# Altium PCB IntelligentCarFor51PcbDoc.PcbDoc (part 10 of 14)
Units mil, origin at the board's own origin, x right, y up, seen from the top; angles counter-clockwise.
Board outline 2298.05 x 2090.03 mil, 2 copper layers (Top Layer, Bottom Layer); 55 components, 66 nets, 258 pads, 143 vias.
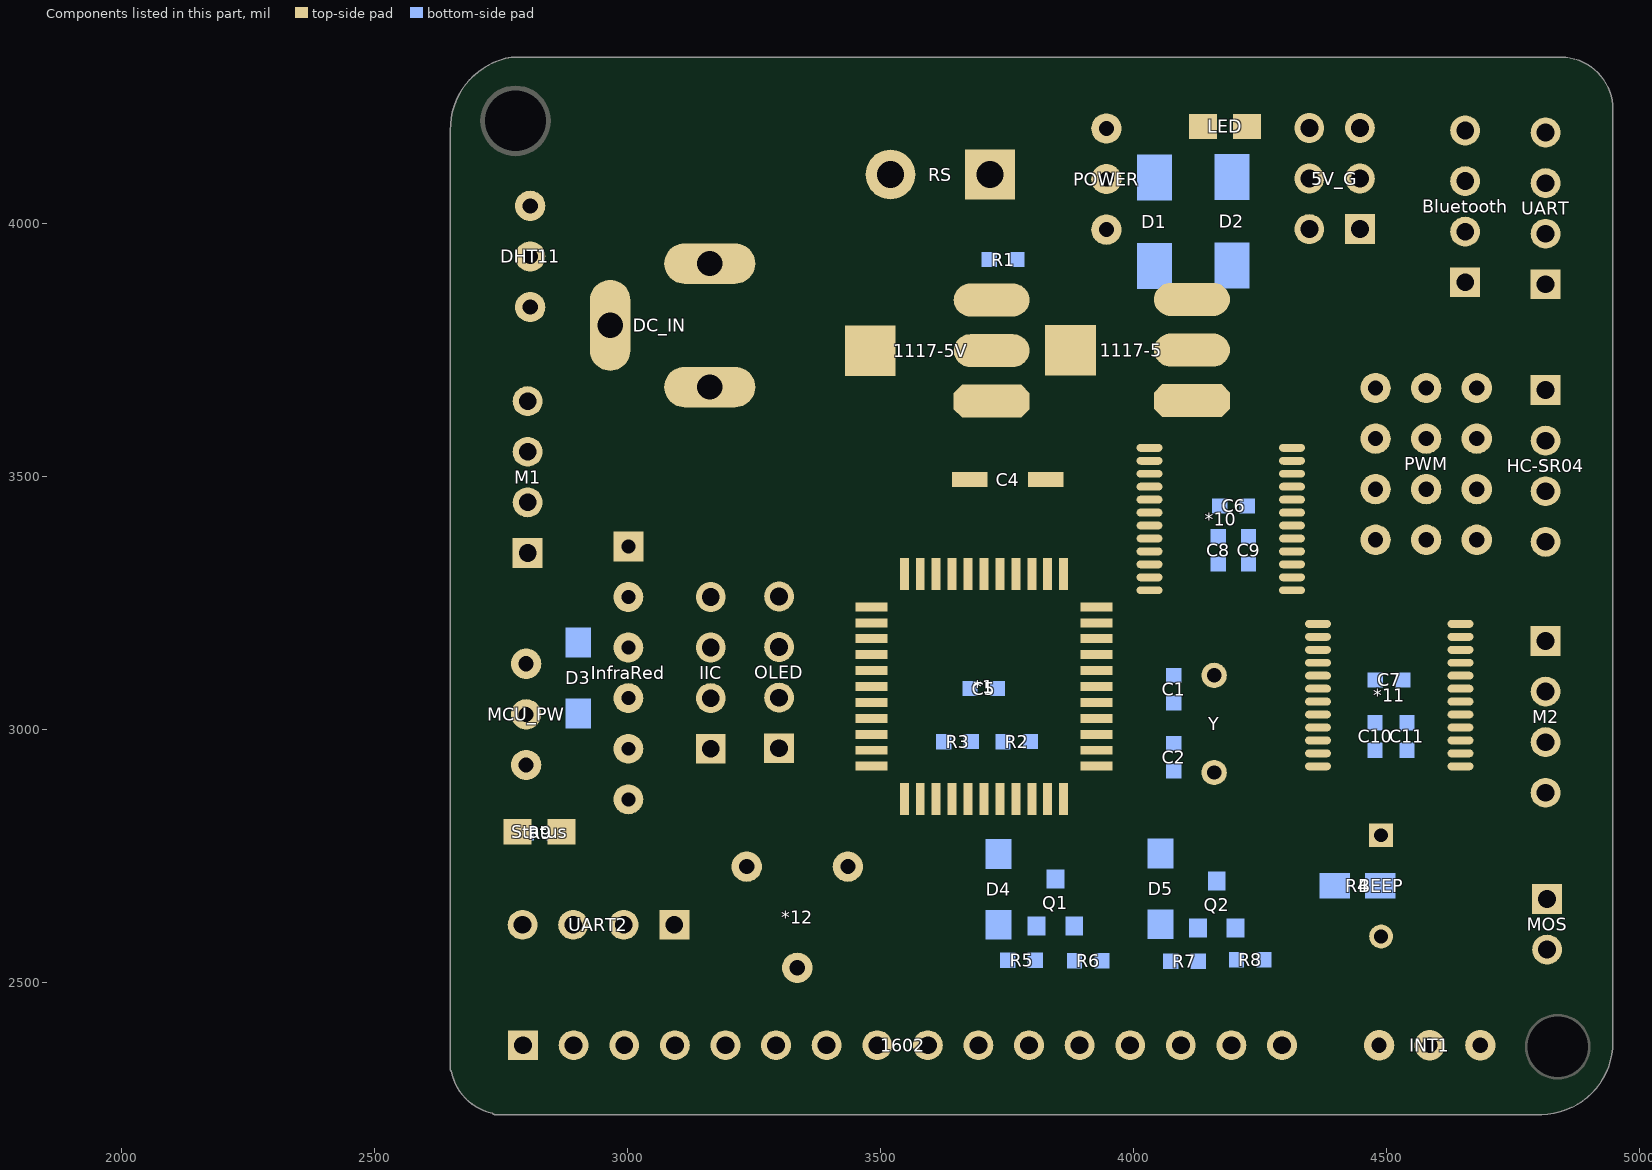
[diagram p10: the components of this part, seen from the top]

## Via types
v1: diameter 12, hole 8, Top Layer to Bottom Layer, 53 vias
v2: diameter 10, hole 7, Top Layer to Bottom Layer, 20 vias
v3: diameter 20, hole 12, Top Layer to Bottom Layer, 15 vias
v4: diameter 35, hole 25, Top Layer to Bottom Layer, 13 vias
v5: diameter 15, hole 10, Top Layer to Bottom Layer, 10 vias
v6: diameter 18, hole 12, Top Layer to Bottom Layer, 10 vias
v7: diameter 50, hole 35, Top Layer to Bottom Layer, 7 vias
v8: diameter 30, hole 20, Top Layer to Bottom Layer, 5 vias
v9: diameter 12, hole 7, Top Layer to Bottom Layer, 3 vias
v10: diameter 25, hole 18, Top Layer to Bottom Layer, 2 vias
v11: diameter 40, hole 30, Top Layer to Bottom Layer, 2 vias
v12: diameter 8, hole 7, Top Layer to Bottom Layer, 1 vias
v13: diameter 30, hole 22, Top Layer to Bottom Layer, 1 vias
v14: diameter 24, hole 18, Top Layer to Bottom Layer, 1 vias

## Nets (pads, with @x,y where several pads share a name; then routed paths per layer and width w, separated by ;. In a path a pad name is that pad's centre, name@x,y a point inside that pad or via, vN(x,y) a via of type N, cw(c..) or ccw(c..) an arc to the next point about the centre after c; other vN are vias at no path point) (continued)
copper on no net: (continued)
  Top Layer w0.35: 2291.2,3207.45 2293.65,3207.45 ; 2291.2,3207.8 2294.35,3207.8 ; 2291.2,3208.15 2295.05,3208.15 ; 2291.2,3208.5 2295.75,3208.5 ; 2291.2,3217.6 2294,3217.6 ; 2291.2,3217.95 2293.3,3217.95 ; 2291.2,3218.3 2292.25,3218.3 ; 2291.2,3230.9 2299.95,3230.9 ; 2291.2,3233.35 2293.65,3233.35 ; 2291.55,3192.05 2294,3192.05 ; 2291.55,3194.5 2301,3194.5 ; 2291.55,3206.75 2292.25,3206.75 ; 2291.55,3207.1 2292.95,3207.1 ; 2291.55,3231.25 2301,3231.25 ; 2291.55,3233.7 2294,3233.7 ; 2291.55,3241.05 2298.2,3241.05 ; 2291.55,3249.45 2333.2,3249.45 ; 2291.9,3231.6 2302.05,3231.6 ; 2291.9,3249.1 2333.55,3249.1 ; 2292.25,3191.7 2294.7,3191.7 ; 2292.25,3194.15 2302.4,3194.15 ; 2292.25,3231.95 2303.45,3231.95 ; 2292.25,3234.05 2294.7,3234.05 ; 2292.25,3241.4 2299.25,3241.4 ; 2292.25,3248.75 2333.55,3248.75 ; 2292.25,3261.35 2312.55,3261.35 ; 2292.6,3191.35 2295.05,3191.35 ; 2292.6,3193.8 2303.8,3193.8 ; 2292.6,3234.4 2295.05,3234.4 ; 2292.6,3247.35 2293.3,3247.35 ; 2292.6,3248.4 2333.9,3248.4 ; 2292.95,3191 2295.75,3191 ; 2292.95,3193.45 2306.6,3193.45 ; 2292.95,3221.45 2303.8,3221.45 ; 2292.95,3221.8 2303.8,3221.8 ; 2292.95,3222.15 2303.8,3222.15 ; 2292.95,3232.3 2306.25,3232.3 ; 2292.95,3234.75 2295.75,3234.75 ; 2292.95,3241.75 2301,3241.75 ; 2293.3,3193.1 2322,3193.1 ; 2293.3,3203.25 2303.8,3203.25 ; 2293.3,3203.6 2303.8,3203.6 ; 2293.3,3203.95 2304.15,3203.95 ; 2293.3,3221.1 2304.15,3221.1 ; 2293.3,3222.5 2303.8,3222.5 ; 2293.3,3232.65 2322,3232.65 ; 2293.3,3247.7 2322,3247.7 ; 2293.65,3190.65 2296.45,3190.65 ; 2293.65,3202.9 2303.8,3202.9 ; 2293.65,3222.85 2303.45,3222.85 ; 2293.65,3233 2321.3,3233 ; 2293.65,3235.1 2296.45,3235.1 ; 2293.65,3247.35 2334.6,3247.35 ; 2294,3192.75 2321.3,3192.75 ; 2294,3202.55 2303.8,3202.55 ; 2294,3204.3 2304.15,3204.3 ; 2294,3220.75 2304.15,3220.75 ; 2294,3223.2 2303.45,3223.2 ; 2294,3235.45 2297.15,3235.45 ; 2294,3247 2334.95,3247 ; 2294.35,3190.3 2297.15,3190.3 ; 2294.35,3192.4 2320.95,3192.4 ; 2294.35,3201.85 2303.45,3201.85 ; 2294.35,3202.2 2303.8,3202.2 ; 2294.35,3223.55 2303.45,3223.55 ; 2294.35,3223.9 2303.45,3223.9 ; 2294.35,3233.35 2320.95,3233.35 ; 2294.35,3242.45 2297.5,3242.45 ; 2294.35,3246.65 2324.45,3246.65 ; 2294.7,3201.5 2303.45,3201.5 ; 2294.7,3204.65 2304.15,3204.65 ; 2294.7,3224.25 2303.1,3224.25 ; 2294.7,3235.8 2297.85,3235.8 ; 2294.7,3246.3 2325.15,3246.3 ; 2295.05,3189.95 2297.85,3189.95 ; 2295.05,3192.05 2320.25,3192.05 ; 2295.05,3201.15 2303.45,3201.15 ; 2295.05,3220.4 2304.15,3220.4 ; 2295.05,3224.6 2303.1,3224.6 ; 2295.05,3233.7 2320.25,3233.7 ; 2295.05,3245.6 2326.55,3245.6 ; 2295.4,3189.6 2298.9,3189.6 ; 2295.4,3191.7 2319.55,3191.7 ; 2295.4,3200.8 2303.45,3200.8 ; 2295.4,3205 2304.15,3205 ; 2295.4,3224.95 2303.1,3224.95 ; 2295.4,3234.05 2319.55,3234.05 ; 2295.4,3236.15 2298.55,3236.15 ; 2295.4,3242.8 2297.5,3242.8 ; 2295.4,3245.25 2327.25,3245.25 ; 2295.75,3200.45 2303.45,3200.45 ; 2295.75,3220.05 2304.15,3220.05 ; 2295.75,3225.3 2303.1,3225.3 ; 2295.75,3244.9 2327.6,3244.9 ; 2295.75,3261 2314.3,3261 ; 2296.1,3191.35 2318.85,3191.35 ; 2296.1,3200.1 2303.1,3200.1 ; 2296.1,3225.65 2302.75,3225.65 ; 2296.1,3234.4 2319.2,3234.4 ; 2296.1,3236.5 2299.6,3236.5 ; 2296.1,3244.55 2328.3,3244.55 ; 2296.45,3189.25 2299.95,3189.25 ; 2296.45,3199.75 2303.1,3199.75 ; 2296.45,3205.35 2304.15,3205.35 ; 2296.45,3219.7 2303.8,3219.7 ; 2296.45,3226 2302.75,3226 ; 2296.45,3244.2 2337.05,3244.2 ; 2296.8,3191 2318.15,3191 ; 2296.8,3226.35 2302.75,3226.35 ; 2296.8,3234.75 2318.5,3234.75 ; 2296.8,3236.85 2301,3236.85 ; 2296.8,3243.85 2329.35,3243.85 ; 2297.15,3188.9 2301,3188.9 ; 2297.15,3199.4 2303.1,3199.4 ; 2297.15,3205.7 2304.5,3205.7 ; 2297.15,3243.5 2329.7,3243.5 ; 2297.5,3199.05 2303.1,3199.05 ; 2297.5,3219.35 2303.45,3219.35 ; 2297.5,3226.7 2302.75,3226.7 ; 2297.5,3235.1 2317.45,3235.1 ; 2297.85,3188.55 2302.4,3188.55 ; 2297.85,3190.65 2317.45,3190.65 ; 2297.85,3198.7 2303.1,3198.7 ; 2297.85,3206.05 2304.15,3206.05 ; 2297.85,3227.05 2302.75,3227.05 ; 2297.85,3237.2 2302.05,3237.2 ; 2297.85,3242.45 2306.95,3242.45 ; 2297.85,3242.8 2321.65,3242.8 ; 2298.2,3219 2302.75,3219 ; 2298.2,3242.1 2303.1,3242.1 ; 2298.55,3190.3 2316.75,3190.3 ; 2298.55,3198.35 2302.75,3198.35 ; 2298.55,3206.4 2303.45,3206.4 ; 2298.55,3227.4 2302.4,3227.4 ; 2298.55,3235.45 2316.75,3235.45 ; 2298.55,3237.55 2304.15,3237.55 ; 2298.9,3188.2 2304.5,3188.2 ; 2298.9,3218.65 2302.4,3218.65 ; 2299.25,3198 2302.75,3198 ; 2299.25,3206.75 2302.75,3206.75 ; 2299.25,3227.75 2302.4,3227.75 ; 2299.25,3235.8 2316.05,3235.8 ; 2299.6,3189.95 2315.7,3189.95 ; 2299.6,3197.65 2302.75,3197.65 ; 2299.6,3218.3 2302.05,3218.3 ; 2299.6,3228.1 2302.4,3228.1 ; 2299.6,3237.9 2315.7,3237.9 ; 2299.6,3260.65 2315.7,3260.65 ; 2299.95,3187.85 2315.35,3187.85 ; 2299.95,3207.1 2302.4,3207.1 ; 2300.3,3189.6 2314.65,3189.6 ; 2300.3,3228.45 2302.4,3228.45 ; 2300.3,3236.15 2315,3236.15 ; 2300.65,3197.3 2302.75,3197.3 ; 2300.65,3207.45 2302.05,3207.45 ; 2300.65,3217.95 2301.7,3217.95 ; 2301,3187.5 2314.3,3187.5 ; 2301,3228.8 2302.05,3228.8 ; 2301,3238.25 2314.3,3238.25 ; 2301.35,3185.75 2313.95,3185.75 ; 2301.35,3196.95 2302.75,3196.95 ; 2301.35,3207.8 2301.7,3207.8 ; 2301.35,3211.65 2302.05,3211.65 ; 2301.35,3212 2302.05,3212 ; 2301.35,3212.35 2302.05,3212.35 ; 2301.35,3212.7 2301.7,3212.7 ; 2301.35,3213.05 2301.7,3213.05 ; 2301.35,3213.4 2302.05,3213.4 ; 2301.35,3213.75 2302.05,3213.75 ; 2301.35,3214.1 2302.05,3214.1 ; 2301.7,3189.25 2313.6,3189.25 ; 2301.7,3210.6 2302.4,3210.6 ; 2301.7,3210.95 2302.05,3210.95 ; 2301.7,3211.3 2302.05,3211.3 ; 2301.7,3214.45 2302.05,3214.45 ; 2301.7,3214.8 2302.05,3214.8 ; 2301.7,3215.15 2302.4,3215.15 ; 2301.7,3236.5 2313.95,3236.5 ; 2302.05,3196.6 2302.4,3196.6 ; 2302.05,3209.9 2302.75,3209.9 ; 2302.05,3210.25 2302.4,3210.25 ; 2302.05,3215.5 2302.4,3215.5 ; 2302.05,3215.85 2302.75,3215.85 ; 2302.4,3209.2 2303.1,3209.2 ; 2302.4,3209.55 2303.1,3209.55 ; 2302.4,3216.2 2302.75,3216.2 ; 2302.4,3216.55 2303.1,3216.55 ; 2302.4,3238.6 2312.9,3238.6 ; 2302.75,3187.15 2312.55,3187.15 ; 2302.75,3208.85 2303.45,3208.85 ; 2302.75,3211.3 2303.45,3211.3 ; 2302.75,3211.65 2304.15,3211.65 ; 2302.75,3212 2304.15,3212 ; 2302.75,3212.35 2303.1,3212.35 ; 2302.75,3212.7 2303.1,3212.7 ; 2302.75,3213.05 2303.1,3213.05 ; 2302.75,3213.4 2303.1,3213.4 ; 2302.75,3213.75 2303.1,3213.75 ; 2302.75,3214.1 2303.45,3214.1 ; 2302.75,3214.45 2303.45,3214.45 ; 2302.75,3216.9 2303.45,3216.9 ; 2303.1,3186.1 2312.2,3186.1 ; 2303.1,3208.5 2303.8,3208.5 ; 2303.1,3210.6 2303.8,3210.6 ; 2303.1,3210.95 2303.8,3210.95 ; 2303.1,3214.8 2303.45,3214.8 ; 2303.1,3215.15 2303.8,3215.15 ; 2303.1,3217.25 2303.8,3217.25 ; 2303.1,3236.85 2311.85,3236.85 ; 2303.1,3260.3 2317.45,3260.3 ; 2303.45,3188.9 2311.85,3188.9 ; 2303.45,3208.15 2304.5,3208.15 ; 2303.45,3210.25 2304.15,3210.25 ; 2303.45,3212.35 2304.15,3212.35 ; 2303.45,3215.5 2304.15,3215.5 ; 2303.45,3217.6 2304.15,3217.6 ; 2303.8,3209.55 2304.85,3209.55 ; 2303.8,3209.9 2304.5,3209.9 ; 2303.8,3211.3 2304.85,3211.3 ; 2303.8,3212.7 2305.2,3212.7 ; 2303.8,3215.85 2304.15,3215.85 ; 2303.8,3216.2 2304.5,3216.2 ; 2303.8,3217.95 2304.85,3217.95 ; 2304.15,3207.8 2304.85,3207.8 ; 2304.15,3213.05 2304.85,3213.05 ; 2304.15,3216.55 2305.2,3216.55 ; 2304.5,3207.45 2305.9,3207.45 ; 2304.5,3209.2 2305.2,3209.2 ; 2304.5,3218.3 2305.55,3218.3 ; 2304.5,3238.95 2310.8,3238.95 ; 2304.85,3208.85 2305.9,3208.85 ; 2304.85,3211.65 2305.2,3211.65 ; 2304.85,3212 2305.55,3212 ; 2304.85,3212.35 2306.6,3212.35 ; 2304.85,3216.9 2305.55,3216.9 ; 2304.85,3229.5 2312.2,3229.5 ; 2305.2,3207.1 2309.75,3207.1 ; 2305.2,3208.5 2306.95,3208.5 ; 2305.2,3217.25 2306.6,3217.25 ; 2305.2,3218.65 2307.65,3218.65 ; 2305.2,3228.45 2315,3228.45 ; 2305.2,3228.8 2313.95,3228.8 ; 2305.2,3229.15 2313.25,3229.15 ; 2305.2,3229.85 2310.1,3229.85 ; 2305.55,3186.8 2309.75,3186.8 ; 2305.55,3195.9 2310.1,3195.9 ; 2305.55,3196.25 2311.85,3196.25 ; 2305.55,3196.6 2312.9,3196.6 ; 2305.55,3196.95 2313.95,3196.95 ; 2305.55,3197.3 2314.65,3197.3 ; 2305.55,3212.7 2306.25,3212.7 ; 2305.55,3213.05 2306.25,3213.05 ; 2305.55,3213.4 2306.6,3213.4 ; 2305.55,3213.75 2306.95,3213.75 ; 2305.55,3227.05 2316.75,3227.05 ; 2305.55,3227.4 2316.75,3227.4 ; 2305.55,3227.75 2316.05,3227.75 ; 2305.55,3228.1 2315.7,3228.1 ; 2305.9,3197.65 2315.35,3197.65 ; 2305.9,3198 2316.05,3198 ; 2305.9,3198.35 2316.75,3198.35 ; 2305.9,3198.7 2317.1,3198.7 ; 2305.9,3211.65 2309.4,3211.65 ; 2305.9,3212 2306.95,3212 ; 2305.9,3214.1 2307.3,3214.1 ; 2305.9,3215.5 2307.65,3215.5 ; 2305.9,3215.85 2306.25,3215.85 ; 2305.9,3216.2 2306.25,3216.2 ; 2305.9,3216.55 2307.65,3216.55 ; 2305.9,3225.65 2315.7,3225.65 ; 2305.9,3226 2316.05,3226 ; 2305.9,3226.35 2316.05,3226.35 ; 2305.9,3226.7 2316.4,3226.7 ; 2306.25,3199.05 2317.1,3199.05 ; 2306.25,3199.4 2316.75,3199.4 ; 2306.25,3199.75 2316.4,3199.75 ; 2306.25,3200.1 2316.05,3200.1 ; 2306.25,3200.45 2315.7,3200.45 ; 2306.25,3208.15 2309.05,3208.15 ; 2306.25,3211.3 2309.05,3211.3 ; 2306.25,3214.45 2309.05,3214.45 ; 2306.25,3216.9 2307.3,3216.9 ; 2306.25,3217.6 2309.05,3217.6 ; 2306.25,3219 2309.05,3219 ; 2306.25,3224.25 2314.65,3224.25 ; 2306.25,3224.6 2314.65,3224.6 ; 2306.25,3224.95 2315,3224.95 ; 2306.25,3225.3 2315.35,3225.3 ; 2306.25,3237.2 2309.75,3237.2 ; 2306.6,3186.45 2308,3186.45 ; 2306.6,3200.8 2315.35,3200.8 ; 2306.6,3201.15 2315.35,3201.15 ; 2306.6,3201.5 2315,3201.5 ; 2306.6,3201.85 2314.65,3201.85 ; 2306.6,3206.75 2308.7,3206.75 ; 2306.6,3215.15 2307.3,3215.15 ; 2306.6,3222.85 2313.25,3222.85 ; 2306.6,3223.2 2313.6,3223.2 ; 2306.6,3223.55 2313.95,3223.55 ; 2306.6,3223.9 2314.3,3223.9 ; 2306.6,3259.95 2318.85,3259.95 ; 2306.95,3188.55 2308,3188.55 ; 2306.95,3202.2 2314.3,3202.2 ; 2306.95,3202.55 2313.95,3202.55 ; 2306.95,3202.9 2313.6,3202.9 ; 2306.95,3203.25 2313.6,3203.25 ; 2306.95,3210.95 2308.35,3210.95 ; 2306.95,3214.8 2308.7,3214.8 ; 2306.95,3221.8 2312.55,3221.8 ; 2306.95,3222.15 2312.9,3222.15 ; 2306.95,3222.5 2313.25,3222.5 ; 2307.3,3203.6 2313.25,3203.6 ; 2307.3,3203.95 2312.9,3203.95 ; 2307.3,3204.3 2312.55,3204.3 ; 2307.3,3204.65 2312.55,3204.65 ; 2307.3,3208.5 2307.65,3208.5 ; 2307.3,3209.55 2308,3209.55 ; 2307.3,3209.9 2308,3209.9 ; 2307.3,3215.85 2307.65,3215.85 ; 2307.3,3216.2 2307.65,3216.2 ; 2307.3,3220.75 2311.5,3220.75 ; 2307.3,3221.1 2311.85,3221.1 ; 2307.3,3221.45 2312.2,3221.45 ; 2307.65,3205 2312.2,3205 ; 2307.65,3209.2 2309.4,3209.2 ; 2307.65,3210.25 2309.4,3210.25 ; 2307.65,3214.1 2309.4,3214.1 ; 2308,3208.85 2308.7,3208.85 ; 2308,3210.6 2308.7,3210.6 ; 2308,3218.65 2310.1,3218.65 ; 2308.35,3208.5 2309.75,3208.5 ; 2308.35,3212 2309.4,3212 ; 2308.35,3213.75 2309.4,3213.75 ; 2308.35,3217.25 2310.1,3217.25 ; 2308.7,3193.45 2322.35,3193.45 ; 2308.7,3212.35 2309.75,3212.35 ; 2308.7,3212.7 2309.75,3212.7 ; 2308.7,3213.05 2309.75,3213.05 ; 2308.7,3213.4 2310.45,3213.4 ; 2309.05,3209.55 2309.4,3209.55 ; 2309.05,3209.9 2309.4,3209.9 ; 2309.4,3207.45 2310.8,3207.45 ; 2309.4,3208.85 2310.45,3208.85 ; 2309.4,3216.9 2310.45,3216.9 ; 2309.4,3218.3 2310.8,3218.3 ; 2309.4,3232.3 2322.35,3232.3 ; 2309.75,3205.35 2311.85,3205.35 ; 2309.75,3213.75 2310.45,3213.75 ; 2309.75,3214.1 2310.45,3214.1 ; 2309.75,3220.4 2311.5,3220.4 ; 2309.75,3259.6 2320.25,3259.6 ; 2310.1,3209.2 2310.8,3209.2 ; 2310.1,3213.05 2311.5,3213.05 ; 2310.1,3214.45 2311.15,3214.45 ; 2310.1,3216.55 2310.8,3216.55 ; 2310.45,3205.7 2311.5,3205.7 ; 2310.45,3207.8 2311.15,3207.8 ; 2310.45,3209.55 2311.15,3209.55 ; 2310.45,3216.2 2311.15,3216.2 ; 2310.45,3217.95 2311.15,3217.95 ; 2310.45,3242.45 2322.35,3242.45 ; 2310.8,3188.2 2316.4,3188.2 ; 2310.8,3208.15 2311.85,3208.15 ; 2310.8,3209.9 2311.5,3209.9 ; 2310.8,3215.85 2311.5,3215.85 ; 2310.8,3217.6 2311.5,3217.6 ; 2310.8,3220.05 2311.15,3220.05 ; 2311.15,3210.25 2311.85,3210.25 ; 2311.15,3213.4 2311.5,3213.4 ; 2311.15,3213.75 2312.55,3213.75 ; 2311.15,3214.1 2312.55,3214.1 ; 2311.15,3215.5 2311.85,3215.5 ; 2311.15,3237.55 2316.75,3237.55 ; 2311.5,3193.8 2322.7,3193.8 ; 2311.5,3208.5 2312.2,3208.5 ; 2311.5,3210.6 2311.85,3210.6 ; 2311.5,3210.95 2312.2,3210.95 ; 2311.5,3214.8 2312.2,3214.8 ; 2311.5,3215.15 2311.85,3215.15 ; 2311.5,3217.25 2312.2,3217.25 ; 2311.85,3208.85 2312.2,3208.85 ; 2311.85,3211.3 2312.2,3211.3 ; 2311.85,3211.65 2312.55,3211.65 ; 2311.85,3212 2312.55,3212 ; 2311.85,3212.35 2312.55,3212.35 ; 2311.85,3214.45 2312.2,3214.45 ; 2311.85,3216.9 2312.55,3216.9 ; 2311.85,3231.95 2322.7,3231.95 ; 2312.2,3209.2 2312.55,3209.2 ; 2312.2,3209.55 2312.9,3209.55 ; 2312.2,3212.7 2312.55,3212.7 ; 2312.2,3213.05 2312.55,3213.05 ; 2312.2,3213.4 2312.55,3213.4 ; 2312.2,3216.2 2312.9,3216.2 ; 2312.2,3216.55 2312.55,3216.55 ; 2312.55,3209.9 2313.25,3209.9 ; 2312.55,3215.85 2313.25,3215.85 ; 2312.55,3259.25 2322,3259.25 ; 2312.9,3188.55 2317.45,3188.55 ; 2312.9,3194.15 2323.4,3194.15 ; 2312.9,3210.25 2313.25,3210.25 ; 2312.9,3210.6 2313.6,3210.6 ; 2312.9,3210.95 2313.6,3210.95 ; 2312.9,3214.8 2313.6,3214.8 ; 2312.9,3215.15 2313.6,3215.15 ; 2312.9,3215.5 2313.25,3215.5 ; 2312.9,3237.2 2317.45,3237.2 ; 2313.25,3211.3 2313.6,3211.3 ; 2313.25,3211.65 2313.6,3211.65 ; 2313.25,3212 2313.95,3212 ; 2313.25,3212.35 2313.95,3212.35 ; 2313.25,3212.7 2313.95,3212.7 ; 2313.25,3213.05 2313.95,3213.05 ; 2313.25,3213.4 2313.95,3213.4 ; 2313.25,3213.75 2313.95,3213.75 ; 2313.25,3214.1 2313.6,3214.1 ; 2313.25,3214.45 2313.6,3214.45 ; 2313.25,3231.6 2323.4,3231.6 ; 2313.6,3217.95 2324.1,3217.95 ; 2313.6,3218.3 2324.1,3218.3 ; 2313.95,3194.5 2323.75,3194.5 ; 2313.95,3207.8 2324.1,3207.8 ; 2313.95,3208.15 2324.1,3208.15 ; 2313.95,3217.25 2324.1,3217.25 ; 2313.95,3217.6 2324.1,3217.6 ; 2313.95,3218.65 2323.75,3218.65 ; 2313.95,3231.25 2323.75,3231.25 ; 2313.95,3242.1 2323.05,3242.1 ; 2314.3,3188.9 2318.15,3188.9 ; 2314.3,3207.1 2323.75,3207.1 ; 2314.3,3207.45 2323.75,3207.45 ; 2314.3,3208.5 2324.1,3208.5 ; 2314.3,3208.85 2324.45,3208.85 ; 2314.3,3216.9 2324.45,3216.9 ; 2314.3,3219 2323.75,3219 ; 2314.3,3236.85 2318.5,3236.85 ; 2314.65,3206.75 2323.75,3206.75 ; 2314.65,3209.2 2324.45,3209.2 ; 2314.65,3209.55 2324.45,3209.55 ; 2314.65,3216.2 2324.45,3216.2 ; 2314.65,3216.55 2324.45,3216.55 ; 2314.65,3219.35 2323.4,3219.35 ; 2315,3194.85 2324.1,3194.85 ; 2315,3206.4 2323.4,3206.4 ; 2315,3209.9 2324.45,3209.9 ; 2315,3210.25 2324.45,3210.25 ; 2315,3210.6 2324.8,3210.6 ; 2315,3215.15 2324.8,3215.15 ; 2315,3215.5 2324.45,3215.5 ; 2315,3215.85 2324.45,3215.85 ; 2315,3219.7 2323.4,3219.7 ; 2315,3220.05 2323.05,3220.05 ; 2315,3230.9 2324.1,3230.9 ; 2315,3258.9 2323.4,3258.9 ; 2315.35,3189.25 2319.2,3189.25 ; 2315.35,3206.05 2323.4,3206.05 ; 2315.35,3210.95 2324.8,3210.95 ; 2315.35,3214.45 2324.8,3214.45 ; 2315.35,3214.8 2324.8,3214.8 ; 2315.35,3220.4 2323.05,3220.4 ; 2315.35,3236.5 2319.2,3236.5 ; 2315.7,3195.2 2324.45,3195.2 ; 2315.7,3205.35 2323.05,3205.35 ; 2315.7,3205.7 2323.05,3205.7 ; 2315.7,3220.75 2323.05,3220.75 ; 2315.7,3241.75 2331.8,3241.75 ; 2316.05,3205 2322.7,3205 ; 2316.05,3221.1 2322.7,3221.1 ; 2316.05,3221.45 2322.7,3221.45 ; 2316.05,3230.55 2324.45,3230.55 ; 2316.4,3189.6 2319.55,3189.6 ; 2316.4,3195.55 2324.8,3195.55 ; 2316.4,3204.65 2322.7,3204.65 ; 2316.4,3221.8 2322.35,3221.8 ; 2316.4,3230.2 2324.8,3230.2 ; 2316.4,3236.15 2319.9,3236.15 ; 2316.75,3203.95 2322.35,3203.95 ; 2316.75,3204.3 2322.35,3204.3 ; 2316.75,3222.15 2322,3222.15 ; 2317.1,3189.95 2320.25,3189.95 ; 2317.1,3195.9 2325.15,3195.9 ; 2317.1,3203.6 2322,3203.6 ; 2317.1,3222.5 2321.65,3222.5 ; 2317.1,3222.85 2321.65,3222.85 ; 2317.1,3229.85 2325.15,3229.85 ; 2317.1,3241.4 2332.15,3241.4 ; 2317.1,3258.55 2324.8,3258.55 ; 2317.45,3203.25 2321.65,3203.25 ; 2317.45,3223.2 2321.3,3223.2 ; 2317.45,3235.8 2320.6,3235.8 ; 2317.8,3196.25 2325.5,3196.25 ; 2317.8,3202.9 2321.65,3202.9 ; 2317.8,3223.55 2320.95,3223.55 ; 2317.8,3229.5 2325.5,3229.5 ; 2318.15,3190.3 2320.95,3190.3 ; 2318.15,3196.6 2325.85,3196.6 ; 2318.15,3202.2 2320.95,3202.2 ; 2318.15,3202.55 2321.3,3202.55 ; 2318.15,3223.9 2320.95,3223.9 ; 2318.15,3235.45 2320.95,3235.45 ; 2318.5,3201.85 2320.6,3201.85 ; 2318.5,3224.25 2320.6,3224.25 ; 2318.5,3224.6 2320.25,3224.6 ; 2318.5,3229.15 2325.85,3229.15 ; 2318.5,3241.05 2332.5,3241.05 ; 2318.85,3190.65 2321.65,3190.65 ; 2318.85,3196.95 2326.2,3196.95 ; 2318.85,3201.15 2320.25,3201.15 ; 2318.85,3201.5 2320.6,3201.5 ; 2318.85,3224.95 2319.9,3224.95 ; 2318.85,3228.8 2326.2,3228.8 ; 2318.85,3235.1 2321.65,3235.1 ; 2319.2,3197.3 2326.2,3197.3 ; 2319.2,3200.8 2319.9,3200.8 ; 2319.2,3225.3 2319.55,3225.3 ; 2319.2,3228.45 2326.2,3228.45 ; 2319.2,3240.7 2325.85,3240.7 ; 2319.2,3258.2 2326.2,3258.2 ; 2319.55,3191 2322,3191 ; 2319.55,3234.75 2322.35,3234.75 ; 2319.9,3191.35 2322.7,3191.35 ; 2319.9,3197.65 2326.55,3197.65 ; 2319.9,3228.1 2326.55,3228.1 ; 2320.25,3198 2326.9,3198 ; 2320.25,3227.75 2326.9,3227.75 ; 2320.25,3234.4 2322.7,3234.4 ; 2320.25,3240.35 2340.2,3240.35 ; 2320.6,3191.7 2323.05,3191.7 ; 2320.6,3198.35 2327.25,3198.35 ; 2320.6,3227.4 2327.25,3227.4 ; 2320.6,3234.05 2323.05,3234.05 ; 2320.95,3198.7 2327.25,3198.7 ; 2320.95,3227.05 2327.6,3227.05 ; 2320.95,3240 2333.55,3240 ; 2321.3,3192.05 2323.4,3192.05 ; 2321.3,3199.05 2327.6,3199.05 ; 2321.3,3226.7 2327.6,3226.7 ; 2321.3,3233.7 2323.75,3233.7 ; 2321.3,3248.05 2334.25,3248.05 ; 2321.3,3257.85 2327.6,3257.85 ; 2321.65,3192.4 2324.1,3192.4 ; 2321.65,3199.4 2327.95,3199.4 ; 2321.65,3226.35 2327.95,3226.35 ; 2321.65,3233.35 2324.1,3233.35 ; 2321.65,3239.65 2327.25,3239.65 ; 2322,3199.75 2328.3,3199.75 ; 2322,3226 2328.3,3226 ; 2322,3242.8 2330.75,3242.8 ; 2322.35,3192.75 2324.45,3192.75 ; 2322.35,3200.1 2328.3,3200.1 ; 2322.35,3225.65 2328.3,3225.65 ; 2322.35,3233 2324.45,3233 ; 2322.35,3239.3 2334.25,3239.3 ; 2322.35,3247.7 2334.6,3247.7 ; 2322.7,3193.1 2324.8,3193.1 ; 2322.7,3200.45 2328.65,3200.45 ; 2322.7,3225.3 2328.65,3225.3 ; 2322.7,3232.65 2324.8,3232.65 ; 2322.7,3242.45 2331.1,3242.45 ; 2323.05,3193.45 2325.15,3193.45 ; 2323.05,3200.8 2328.65,3200.8 ; 2323.05,3201.15 2329,3201.15 ; 2323.05,3224.6 2329,3224.6 ; 2323.05,3224.95 2328.65,3224.95 ; 2323.05,3232.3 2325.15,3232.3 ; 2323.05,3238.95 2341.25,3238.95 ; 2323.05,3257.5 2328.65,3257.5 ; 2323.4,3193.8 2325.5,3193.8 ; 2323.4,3201.5 2329,3201.5 ; 2323.4,3224.25 2329.35,3224.25 ; 2323.4,3238.6 2328.65,3238.6 ; 2323.75,3201.85 2329.35,3201.85 ; 2323.75,3202.2 2329.35,3202.2 ; 2323.75,3223.9 2329.35,3223.9 ; 2323.75,3231.95 2325.5,3231.95 ; 2323.75,3242.1 2331.45,3242.1 ; 2324.1,3194.15 2325.85,3194.15 ; 2324.1,3202.55 2329.7,3202.55 ; 2324.1,3223.2 2329.7,3223.2 ; 2324.1,3223.55 2329.7,3223.55 ; 2324.1,3231.6 2326.2,3231.6 ; 2324.1,3238.25 2329,3238.25 ; 2324.45,3194.5 2326.55,3194.5 ; 2324.45,3202.9 2329.7,3202.9 ; 2324.45,3203.25 2330.05,3203.25 ; 2324.45,3222.5 2330.05,3222.5 ; 2324.45,3222.85 2329.7,3222.85 ; 2324.45,3231.25 2326.2,3231.25 ; 2324.8,3194.85 2326.55,3194.85 ; 2324.8,3203.6 2330.05,3203.6 ; 2324.8,3203.95 2330.4,3203.95 ; 2324.8,3221.8 2330.4,3221.8 ; 2324.8,3222.15 2330.05,3222.15 ; 2324.8,3230.9 2326.55,3230.9 ; 2324.8,3237.9 2329.7,3237.9 ; 2324.8,3246.65 2335.3,3246.65 ; 2325.15,3195.2 2326.9,3195.2 ; 2325.15,3204.3 2330.4,3204.3 ; 2325.15,3204.65 2330.4,3204.65 ; 2325.15,3221.1 2330.4,3221.1 ; 2325.15,3221.45 2330.4,3221.45 ; 2325.15,3230.55 2326.9,3230.55 ; 2325.15,3237.55 2335.65,3237.55 ; 2325.15,3257.15 2330.05,3257.15 ; 2325.5,3195.55 2327.25,3195.55 ; 2325.5,3205 2330.75,3205 ; 2325.5,3205.35 2330.75,3205.35 ; 2325.5,3220.4 2330.75,3220.4 ; 2325.5,3220.75 2330.75,3220.75 ; 2325.5,3230.2 2327.25,3230.2 ; 2325.5,3237.2 2330.4,3237.2 ; 2325.5,3246.3 2335.65,3246.3 ; 2325.85,3195.9 2327.6,3195.9 ; 2325.85,3205.7 2330.75,3205.7 ; 2325.85,3206.05 2331.1,3206.05 ; 2325.85,3206.4 2331.1,3206.4 ; 2325.85,3219.35 2331.1,3219.35 ; 2325.85,3219.7 2331.1,3219.7 ; 2325.85,3220.05 2330.75,3220.05 ; 2325.85,3229.85 2327.6,3229.85 ; 2325.85,3236.85 2330.75,3236.85 ; 2326.2,3196.25 2327.95,3196.25 ; 2326.2,3206.75 2331.1,3206.75 ; 2326.2,3207.1 2331.1,3207.1 ; 2326.2,3207.45 2331.45,3207.45 ; 2326.2,3218.3 2331.45,3218.3 ; 2326.2,3218.65 2331.45,3218.65 ; 2326.2,3219 2331.1,3219 ; 2326.2,3229.5 2327.95,3229.5 ; 2326.2,3240.7 2339.85,3240.7 ; 2326.2,3245.95 2335.65,3245.95 ; 2326.55,3196.6 2327.95,3196.6 ; 2326.55,3196.95 2328.3,3196.95 ; 2326.55,3207.8 2331.45,3207.8 ; 2326.55,3208.15 2331.45,3208.15 ; 2326.55,3208.5 2331.45,3208.5 ; 2326.55,3208.85 2331.8,3208.85 ; 2326.55,3216.9 2331.8,3216.9 ; 2326.55,3217.25 2331.45,3217.25 ; 2326.55,3217.6 2331.45,3217.6 ; 2326.55,3217.95 2331.45,3217.95 ; 2326.55,3229.15 2328.3,3229.15 ; 2326.55,3236.5 2331.1,3236.5 ; 2326.55,3256.8 2331.1,3256.8 ; 2326.9,3197.3 2328.65,3197.3 ; 2326.9,3209.2 2331.8,3209.2 ; 2326.9,3209.55 2331.8,3209.55 ; 2326.9,3209.9 2331.8,3209.9 ; 2326.9,3210.25 2331.8,3210.25 ; 2326.9,3210.6 2331.8,3210.6 ; 2326.9,3210.95 2331.8,3210.95 ; 2326.9,3211.3 2331.8,3211.3 ; 2326.9,3211.65 2331.8,3211.65 ; 2326.9,3212 2331.8,3212 ; 2326.9,3213.75 2331.8,3213.75 ; 2326.9,3214.1 2331.8,3214.1 ; 2326.9,3214.45 2331.8,3214.45 ; 2326.9,3214.8 2331.8,3214.8 ; 2326.9,3215.15 2331.8,3215.15 ; 2326.9,3215.5 2331.8,3215.5 ; 2326.9,3215.85 2331.8,3215.85 ; 2326.9,3216.2 2331.8,3216.2 ; 2326.9,3216.55 2331.8,3216.55 ; 2326.9,3228.45 2328.65,3228.45 ; 2326.9,3228.8 2328.3,3228.8 ; 2326.9,3236.15 2331.45,3236.15 ; 2326.9,3245.6 2336,3245.6 ; 2327.25,3197.65 2329,3197.65 ; 2327.25,3212.35 2332.15,3212.35 ; 2327.25,3212.7 2332.15,3212.7 ; 2327.25,3213.05 2332.15,3213.05 ; 2327.25,3213.4 2331.8,3213.4 ; 2327.25,3228.1 2329,3228.1 ; 2327.25,3235.8 2337.05,3235.8 ; 2327.6,3198 2329.35,3198 ; 2327.6,3198.35 2329.35,3198.35 ; 2327.6,3227.75 2329.35,3227.75 ; 2327.6,3235.45 2331.8,3235.45 ; 2327.6,3239.65 2333.9,3239.65 ; 2327.6,3245.25 2336.35,3245.25 ; 2327.95,3198.7 2329.7,3198.7 ; 2327.95,3227.05 2329.7,3227.05 ; 2327.95,3227.4 2329.35,3227.4 ; 2327.95,3235.1 2337.4,3235.1 ; 2327.95,3244.9 2336.7,3244.9 ; 2327.95,3256.45 2332.5,3256.45 ; 2328.3,3199.05 2330.05,3199.05 ; 2328.3,3226.7 2330.05,3226.7 ; 2328.3,3234.75 2332.5,3234.75 ; 2328.65,3199.4 2330.05,3199.4 ; 2328.65,3199.75 2330.4,3199.75 ; 2328.65,3226 2330.4,3226 ; 2328.65,3226.35 2330.05,3226.35 ; 2328.65,3234.4 2332.85,3234.4 ; 2328.65,3244.55 2337.05,3244.55 ; 2329,3200.1 2330.4,3200.1 ; 2329,3225.65 2330.4,3225.65 ; 2329,3234.05 2338.1,3234.05 ; 2329,3238.6 2341.6,3238.6 ; 2329,3256.1 2333.55,3256.1 ; 2329.35,3200.45 2330.75,3200.45 ; 2329.35,3200.8 2330.75,3200.8 ; 2329.35,3224.95 2330.75,3224.95 ; 2329.35,3225.3 2330.75,3225.3 ; 2329.35,3233.7 2346.85,3233.7 ; 2329.35,3238.25 2335.3,3238.25 ; 2329.7,3201.15 2331.1,3201.15 ; 2329.7,3201.5 2331.1,3201.5 ; 2329.7,3224.25 2331.45,3224.25 ; 2329.7,3224.6 2331.1,3224.6 ; 2329.7,3233 2338.8,3233 ; 2329.7,3233.35 2333.55,3233.35 ; 2329.7,3243.85 2337.4,3243.85 ; 2330.05,3201.85 2331.45,3201.85 ; 2330.05,3202.2 2331.45,3202.2 ; 2330.05,3223.55 2331.45,3223.55 ; 2330.05,3223.9 2331.45,3223.9 ; 2330.05,3232.65 2333.9,3232.65 ; 2330.05,3237.9 2335.3,3237.9 ; 2330.05,3243.5 2337.75,3243.5 ; 2330.4,3202.55 2331.8,3202.55 ; 2330.4,3202.9 2331.8,3202.9 ; 2330.4,3203.25 2332.15,3203.25 ; 2330.4,3222.85 2331.8,3222.85 ; 2330.4,3223.2 2331.8,3223.2 ; 2330.4,3232.3 2334.25,3232.3 ; 2330.4,3255.75 2334.6,3255.75 ; 2330.75,3203.6 2332.15,3203.6 ; 2330.75,3203.95 2332.15,3203.95 ; 2330.75,3221.8 2332.15,3221.8 ; 2330.75,3222.15 2332.15,3222.15 ; 2330.75,3222.5 2332.15,3222.5 ; 2330.75,3231.6 2334.6,3231.6 ; 2330.75,3231.95 2334.6,3231.95 ; 2330.75,3237.2 2336,3237.2 ; 2331.1,3204.3 2332.5,3204.3 ; 2331.1,3204.65 2332.5,3204.65 ; 2331.1,3205 2357.7,3205 ; 2331.1,3220.75 2332.5,3220.75 ; 2331.1,3221.1 2332.5,3221.1 ; 2331.1,3221.45 2332.5,3221.45 ; 2331.1,3230.9 2339.85,3230.9 ; 2331.1,3231.25 2334.95,3231.25 ; 2331.1,3236.85 2336.35,3236.85 ; 2331.1,3242.8 2338.1,3242.8 ; 2331.45,3205.35 2355.25,3205.35 ; 2331.45,3205.7 2337.75,3205.7 ; 2331.45,3206.05 2334.6,3206.05 ; 2331.45,3219.7 2332.85,3219.7 ; 2331.45,3220.05 2332.85,3220.05 ; 2331.45,3220.4 2332.85,3220.4 ; 2331.45,3230.55 2335.3,3230.55 ; 2331.45,3236.5 2336.35,3236.5 ; 2331.45,3242.45 2338.45,3242.45 ; 2331.45,3253.3 2333.55,3253.3 ; 2331.45,3253.65 2333.55,3253.65 ; 2331.45,3254 2333.55,3254 ; 2331.45,3254.35 2333.2,3254.35 ; 2331.45,3254.7 2332.15,3254.7 ; 2331.45,3255.4 2335.65,3255.4 ; 2331.8,3206.4 2333.2,3206.4 ; 2331.8,3206.75 2333.2,3206.75 ; 2331.8,3207.1 2333.2,3207.1 ; 2331.8,3207.45 2333.2,3207.45 ; 2331.8,3207.8 2333.2,3207.8 ; 2331.8,3217.95 2333.2,3217.95 ; 2331.8,3218.3 2333.2,3218.3 ; 2331.8,3218.65 2333.2,3218.65 ; 2331.8,3219 2333.2,3219 ; 2331.8,3219.35 2333.2,3219.35 ; 2331.8,3229.85 2359.8,3229.85 ; 2331.8,3230.2 2359.8,3230.2 ; 2331.8,3236.15 2336.7,3236.15 ; 2331.8,3242.1 2338.8,3242.1 ; 2331.8,3252.6 2333.9,3252.6 ; 2331.8,3252.95 2333.55,3252.95 ; 2332.15,3208.15 2333.55,3208.15 ; 2332.15,3208.5 2333.55,3208.5 ; 2332.15,3208.85 2333.55,3208.85 ; 2332.15,3209.2 2333.55,3209.2 ; 2332.15,3209.55 2333.55,3209.55 ; 2332.15,3209.9 2333.55,3209.9 ; 2332.15,3216.2 2333.55,3216.2 ; 2332.15,3216.55 2333.55,3216.55 ; 2332.15,3216.9 2333.55,3216.9 ; 2332.15,3217.25 2333.55,3217.25 ; 2332.15,3217.6 2333.55,3217.6 ; 2332.15,3229.5 2355.6,3229.5 ; 2332.15,3235.45 2344.75,3235.45 ; 2332.15,3241.75 2339.15,3241.75 ; 2332.15,3251.9 2334.25,3251.9 ; 2332.15,3252.25 2333.9,3252.25 ; 2332.15,3255.05 2336.7,3255.05 ; 2332.5,3210.25 2333.9,3210.25 ; 2332.5,3210.6 2333.9,3210.6 ; 2332.5,3210.95 2333.9,3210.95 ; 2332.5,3211.3 2333.9,3211.3 ; 2332.5,3211.65 2333.9,3211.65 ; 2332.5,3212 2333.9,3212 ; 2332.5,3212.35 2333.9,3212.35 ; 2332.5,3212.7 2333.9,3212.7 ; 2332.5,3213.05 2333.9,3213.05 ; 2332.5,3213.4 2333.9,3213.4 ; 2332.5,3213.75 2333.9,3213.75 ; 2332.5,3214.1 2333.9,3214.1 ; 2332.5,3214.45 2333.9,3214.45 ; 2332.5,3214.8 2333.9,3214.8 ; 2332.5,3215.15 2333.9,3215.15 ; 2332.5,3215.5 2333.55,3215.5 ; 2332.5,3215.85 2333.55,3215.85 ; 2332.5,3228.8 2355.6,3228.8 ; 2332.5,3229.15 2340.55,3229.15 ; 2332.5,3241.4 2339.5,3241.4 ; 2332.5,3251.55 2334.25,3251.55 ; 2332.85,3228.1 2355.6,3228.1 ; 2332.85,3228.45 2336.35,3228.45 ; 2332.85,3234.75 2337.75,3234.75 ; 2332.85,3241.05 2339.5,3241.05 ; 2332.85,3250.85 2334.6,3250.85 ; 2332.85,3251.2 2334.6,3251.2 ; 2333.2,3227.4 2341.25,3227.4 ; 2333.2,3227.75 2336.7,3227.75 ; 2333.2,3234.4 2337.75,3234.4 ; 2333.2,3250.5 2334.95,3250.5 ; 2333.2,3254.7 2337.75,3254.7 ; 2333.55,3226.35 2355.95,3226.35 ; 2333.55,3226.7 2337.05,3226.7 ; 2333.55,3227.05 2355.95,3227.05 ; 2333.55,3249.8 2335.3,3249.8 ; 2333.55,3250.15 2334.95,3250.15 ; 2333.55,3254.35 2338.8,3254.35 ; 2333.9,3225.65 2341.95,3225.65 ; 2333.9,3226 2355.95,3226 ; 2333.9,3233.35 2351.05,3233.35 ; 2333.9,3240 2340.55,3240 ; 2333.9,3249.45 2335.3,3249.45 ; 2334.25,3224.6 2357.35,3224.6 ; 2334.25,3224.95 2356.65,3224.95 ; 2334.25,3225.3 2337.75,3225.3 ; 2334.25,3239.65 2340.9,3239.65 ; 2334.25,3248.75 2336,3248.75 ; 2334.25,3249.1 2335.65,3249.1 ; 2334.25,3254 2339.5,3254 ; 2334.6,3223.9 2338.1,3223.9 ; 2334.6,3224.25 2358.05,3224.25 ; 2334.6,3232.3 2355.95,3232.3 ; 2334.6,3232.65 2338.8,3232.65 ; 2334.6,3239.3 2341.25,3239.3 ; 2334.6,3248.4 2336.35,3248.4 ; 2334.95,3204.65 2346.15,3204.65 ; 2334.95,3222.85 2358.4,3222.85 ; 2334.95,3223.2 2358.4,3223.2 ; 2334.95,3223.55 2358.75,3223.55 ; 2334.95,3231.6 2339.5,3231.6 ; 2334.95,3231.95 2356.3,3231.95 ; 2334.95,3247.7 2336.7,3247.7 ; 2334.95,3248.05 2336.35,3248.05 ; 2334.95,3253.65 2340.55,3253.65 ; 2335.3,3221.8 2347.2,3221.8 ; 2335.3,3222.15 2347.55,3222.15 ; 2335.3,3222.5 2348.25,3222.5 ; 2335.3,3231.25 2358.4,3231.25 ; 2335.3,3247.35 2337.05,3247.35 ; 2335.65,3220.75 2347.2,3220.75 ; 2335.65,3221.1 2347.2,3221.1 ; 2335.65,3221.45 2347.2,3221.45 ; 2335.65,3230.55 2359.45,3230.55 ; 2335.65,3237.9 2342.3,3237.9 ; 2335.65,3238.25 2341.95,3238.25 ; 2335.65,3247 2337.05,3247 ; 2335.65,3253.3 2341.25,3253.3 ; 2336,3219.35 2347.55,3219.35 ; 2336,3219.7 2347.55,3219.7 ; 2336,3220.05 2347.2,3220.05 ; 2336,3220.4 2347.2,3220.4 ; 2336,3237.55 2342.65,3237.55 ; 2336,3246.3 2337.75,3246.3 ; 2336,3246.65 2337.4,3246.65 ; 2336,3252.95 2341.95,3252.95 ; 2336.35,3217.95 2347.9,3217.95 ; 2336.35,3218.3 2347.55,3218.3 ; 2336.35,3218.65 2347.55,3218.65 ; 2336.35,3219 2347.55,3219 ; 2336.35,3237.2 2343,3237.2 ; 2336.35,3245.95 2338.1,3245.95 ; 2336.35,3252.6 2342.65,3252.6 ; 2336.7,3216.55 2358.4,3216.55 ; 2336.7,3216.9 2358.05,3216.9 ; 2336.7,3217.25 2348.95,3217.25 ; 2336.7,3217.6 2348.25,3217.6 ; 2336.7,3228.45 2340.9,3228.45 ; 2336.7,3236.5 2343.7,3236.5 ; 2336.7,3236.85 2343.35,3236.85 ; 2336.7,3245.6 2338.1,3245.6 ; 2336.7,3252.25 2343.35,3252.25 ; 2337.05,3214.45 2349.65,3214.45 ; 2337.05,3214.8 2350.35,3214.8 ; 2337.05,3215.15 2350.7,3215.15 ; 2337.05,3215.5 2358.4,3215.5 ; 2337.05,3215.85 2358.05,3215.85 ; 2337.05,3216.2 2358.05,3216.2 ; 2337.05,3227.75 2355.6,3227.75 ; 2337.05,3236.15 2344.05,3236.15 ; 2337.05,3245.25 2338.45,3245.25 ; 2337.4,3212.7 2348.95,3212.7 ; 2337.4,3213.05 2348.95,3213.05 ; 2337.4,3213.4 2349.3,3213.4 ; 2337.4,3213.75 2349.3,3213.75 ; 2337.4,3214.1 2349.65,3214.1 ; 2337.4,3226.7 2355.95,3226.7 ; 2337.4,3235.8 2344.4,3235.8 ; 2337.4,3244.55 2339.15,3244.55 ; 2337.4,3244.9 2338.8,3244.9 ; 2337.4,3251.9 2344.4,3251.9 ; 2337.75,3210.25 2345.8,3210.25 ; 2337.75,3210.6 2349.3,3210.6 ; 2337.75,3210.95 2348.95,3210.95 ; 2337.75,3211.3 2348.95,3211.3 ; 2337.75,3211.65 2348.6,3211.65 ; 2337.75,3212 2348.95,3212 ; 2337.75,3212.35 2348.95,3212.35 ; 2337.75,3235.1 2345.1,3235.1 ; 2337.75,3244.2 2339.15,3244.2 ; 2337.75,3251.55 2344.75,3251.55 ; 2338.1,3204.3 2346.85,3204.3 ; 2338.1,3207.45 2353.85,3207.45 ; 2338.1,3207.8 2353.5,3207.8 ; 2338.1,3208.15 2353.5,3208.15 ; 2338.1,3208.5 2353.85,3208.5 ; 2338.1,3208.85 2348.6,3208.85 ; 2338.1,3209.2 2353.85,3209.2 ; 2338.1,3209.55 2346.85,3209.55 ; 2338.1,3209.9 2346.5,3209.9 ; 2338.1,3225.3 2356.65,3225.3 ; 2338.1,3234.4 2345.8,3234.4 ; 2338.1,3234.75 2345.45,3234.75 ; 2338.1,3243.85 2339.5,3243.85 ; 2338.1,3251.2 2345.45,3251.2 ; 2338.45,3205.7 2344.05,3205.7 ; 2338.45,3206.05 2343.7,3206.05 ; 2338.45,3206.4 2343.35,3206.4 ; 2338.45,3206.75 2343,3206.75 ; 2338.45,3207.1 2342.65,3207.1 ; 2338.45,3223.9 2360.15,3223.9 ; 2338.45,3234.05 2346.15,3234.05 ; 2338.45,3243.15 2340.2,3243.15 ; 2338.45,3243.5 2339.85,3243.5 ; 2338.45,3250.85 2346.15,3250.85 ; 2338.8,3202.2 2346.85,3202.2 ; 2338.8,3202.55 2352.1,3202.55 ; 2338.8,3202.9 2357.35,3202.9 ; 2338.8,3203.25 2357.35,3203.25 ; 2338.8,3203.6 2348.6,3203.6 ; 2338.8,3203.95 2357.35,3203.95 ; 2338.8,3242.8 2340.55,3242.8 ; 2338.8,3250.5 2346.85,3250.5 ; 2339.15,3200.45 2346.5,3200.45 ; 2339.15,3200.8 2346.5,3200.8 ; 2339.15,3201.15 2346.5,3201.15 ; 2339.15,3201.5 2346.5,3201.5 ; 2339.15,3201.85 2346.5,3201.85 ; 2339.15,3233 2351.05,3233 ; 2339.15,3242.45 2340.55,3242.45 ; 2339.15,3250.15 2347.2,3250.15 ; 2339.5,3199.4 2340.55,3199.4 ; 2339.5,3199.75 2340.55,3199.75 ; 2339.5,3200.1 2341.25,3200.1 ; 2339.5,3232.65 2352.1,3232.65 ; 2339.5,3242.1 2340.9,3242.1 ; 2339.5,3249.8 2347.55,3249.8 ; 2339.85,3231.6 2357.35,3231.6 ; 2339.85,3241.4 2341.6,3241.4 ; 2339.85,3241.75 2341.25,3241.75 ; 2339.85,3249.45 2348.25,3249.45 ; 2340.2,3230.9 2359.1,3230.9 ; 2340.2,3241.05 2341.95,3241.05 ; 2340.2,3249.1 2348.6,3249.1 ; 2340.55,3240.7 2341.95,3240.7 ; 2340.55,3248.75 2349.3,3248.75 ; 2340.9,3229.15 2355.6,3229.15 ; 2340.9,3240.35 2342.3,3240.35 ; 2340.9,3248.4 2349.65,3248.4 ; 2341.25,3228.45 2355.6,3228.45 ; 2341.25,3240 2342.65,3240 ; 2341.25,3247.7 2350.35,3247.7 ; 2341.25,3248.05 2350,3248.05 ; 2341.6,3227.4 2356.65,3227.4 ; 2341.6,3239.3 2343,3239.3 ; 2341.6,3239.65 2343,3239.65 ; 2341.6,3247.35 2350.7,3247.35 ; 2341.95,3238.95 2343.35,3238.95 ; 2341.95,3247 2351.05,3247 ; 2342.3,3225.65 2356.3,3225.65 ; 2342.3,3238.6 2343.7,3238.6 ; 2342.3,3246.65 2351.4,3246.65 ; 2342.65,3238.25 2344.05,3238.25 ; 2342.65,3245.95 2351.75,3245.95 ; 2342.65,3246.3 2351.75,3246.3 ; 2343,3207.1 2353.85,3207.1 ; 2343,3237.9 2344.4,3237.9 ; 2343,3245.6 2352.1,3245.6 ; 2343.35,3206.75 2353.85,3206.75 ; 2343.35,3237.55 2344.75,3237.55 ; 2343.35,3245.25 2352.45,3245.25 ; 2343.7,3206.4 2354.2,3206.4 ; 2343.7,3237.2 2345.1,3237.2 ; 2343.7,3244.55 2352.8,3244.55 ; 2343.7,3244.9 2352.8,3244.9 ; 2344.05,3206.05 2354.2,3206.05 ; 2344.05,3236.85 2345.1,3236.85 ; 2344.05,3244.2 2353.15,3244.2 ; 2344.4,3205.7 2354.55,3205.7 ; 2344.4,3236.5 2345.8,3236.5 ; 2344.4,3243.5 2353.5,3243.5 ; 2344.4,3243.85 2353.15,3243.85 ; 2344.75,3236.15 2346.15,3236.15 ; 2344.75,3242.8 2352.1,3242.8 ; 2344.75,3243.15 2352.8,3243.15 ; 2345.1,3235.8 2346.5,3235.8 ; 2345.1,3242.1 2351.4,3242.1 ; 2345.1,3242.45 2351.75,3242.45 ; 2345.45,3235.45 2347.2,3235.45 ; 2345.45,3241.75 2351.05,3241.75 ; 2345.8,3235.1 2347.55,3235.1 ; 2345.8,3240.7 2351.75,3240.7 ; 2345.8,3241.05 2351.05,3241.05 ; 2345.8,3241.4 2351.05,3241.4 ; 2346.15,3210.25 2354.55,3210.25 ; 2346.15,3234.75 2347.55,3234.75 ; 2346.15,3240 2350.7,3240 ; 2346.15,3240.35 2350.7,3240.35 ; 2346.5,3204.65 2357.35,3204.65 ; 2346.5,3234.4 2347.55,3234.4 ; 2346.5,3239.3 2350.7,3239.3 ; 2346.5,3239.65 2350.7,3239.65 ; 2346.85,3209.9 2354.2,3209.9 ; 2346.85,3238.25 2350.7,3238.25 ; 2346.85,3238.6 2350.7,3238.6 ; 2346.85,3238.95 2350.7,3238.95 ; 2347.2,3204.3 2357.35,3204.3 ; 2347.2,3209.55 2354.2,3209.55 ; 2347.2,3237.2 2350.7,3237.2 ; 2347.2,3237.55 2350.7,3237.55 ; 2347.2,3237.9 2350.7,3237.9 ; 2347.55,3233.7 2351.05,3233.7 ; 2347.55,3236.15 2350.7,3236.15 ; 2347.55,3236.5 2350.7,3236.5 ; 2347.55,3236.85 2350.7,3236.85 ; 2347.9,3234.05 2351.05,3234.05 ; 2347.9,3234.4 2351.05,3234.4 ; 2347.9,3234.75 2351.05,3234.75 ; 2347.9,3235.1 2351.05,3235.1 ; 2347.9,3235.45 2351.75,3235.45 ; 2347.9,3235.8 2350.7,3235.8 ; 2349.3,3203.6 2357.35,3203.6 ; 2349.3,3208.85 2353.85,3208.85 ; 2349.65,3210.6 2354.55,3210.6 ; 2350.35,3210.95 2354.9,3210.95 ; 2350.7,3211.3 2354.9,3211.3 ; 2351.05,3211.65 2355.25,3211.65 ; 2351.05,3212 2355.6,3212 ; 2351.05,3235.8 2351.75,3235.8 ; 2351.05,3236.15 2351.75,3236.15 ; 2351.05,3236.5 2351.75,3236.5 ; 2351.05,3236.85 2352.45,3236.85 ; 2351.05,3237.2 2352.45,3237.2 ; 2351.05,3237.55 2352.45,3237.55 ; 2351.05,3237.9 2351.4,3237.9 ; 2351.05,3238.25 2351.75,3238.25 ; 2351.05,3238.6 2355.25,3238.6 ; 2351.05,3238.95 2355.25,3238.95 ; 2351.05,3239.3 2352.45,3239.3 ; 2351.05,3239.65 2352.45,3239.65 ; 2351.05,3240 2351.75,3240 ; 2351.05,3240.35 2351.75,3240.35 ; 2351.4,3212.35 2355.95,3212.35 ; 2351.4,3215.15 2358.4,3215.15 ; 2351.4,3233.35 2352.1,3233.35 ; 2351.4,3233.7 2352.1,3233.7 ; 2351.4,3234.05 2351.75,3234.05 ; 2351.4,3234.4 2351.75,3234.4 ; 2351.4,3234.75 2352.45,3234.75 ; 2351.4,3235.1 2351.75,3235.1 ; 2351.4,3241.05 2351.75,3241.05 ; 2351.4,3241.4 2352.1,3241.4 ; 2351.4,3241.75 2352.1,3241.75 ; 2351.75,3212.7 2355.95,3212.7 ; 2351.75,3213.05 2356.65,3213.05 ; 2351.75,3213.4 2358.05,3213.4 ; 2351.75,3213.75 2358.4,3213.75 ; 2351.75,3214.1 2358.4,3214.1 ; 2351.75,3214.45 2358.4,3214.45 ; 2351.75,3214.8 2358.4,3214.8 ; 2351.75,3233 2352.1,3233 ; 2351.75,3237.9 2355.25,3237.9 ; 2351.75,3242.1 2352.45,3242.1 ; 2352.1,3234.05 2355.95,3234.05 ; 2352.1,3234.4 2352.8,3234.4 ; 2352.1,3235.1 2352.45,3235.1 ; 2352.1,3235.45 2355.6,3235.45 ; 2352.1,3235.8 2355.6,3235.8 ; 2352.1,3236.15 2355.6,3236.15 ; 2352.1,3236.5 2355.6,3236.5 ; 2352.1,3238.25 2355.25,3238.25 ; 2352.1,3240 2352.45,3240 ; 2352.1,3240.35 2354.9,3240.35 ; 2352.1,3240.7 2354.55,3240.7 ; 2352.1,3242.45 2353.15,3242.45 ; 2352.45,3232.65 2355.95,3232.65 ; 2352.45,3233 2355.95,3233 ; 2352.45,3233.35 2355.95,3233.35 ; 2352.45,3233.7 2355.95,3233.7 ; 2352.45,3241.05 2354.55,3241.05 ; 2352.45,3241.4 2354.55,3241.4 ; 2352.8,3202.55 2353.85,3202.55 ; 2352.8,3241.75 2354.2,3241.75 ; 2352.8,3242.8 2353.85,3242.8 ; 2353.15,3243.15 2353.85,3243.15 ; 2353.5,3242.1 2354.2,3242.1 ; 2353.5,3242.45 2354.2,3242.45 ; 2354.55,3239.3 2355.25,3239.3 ; 2354.55,3239.65 2354.9,3239.65 ; 2354.55,3240 2354.9,3240 ; 2355.25,3236.85 2355.6,3236.85 ; 2355.25,3237.55 2355.6,3237.55 ; 2355.6,3234.4 2355.95,3234.4 ; 2355.6,3234.75 2355.95,3234.75 ; 2355.95,3227.75 2360.15,3227.75 ; 2355.95,3228.1 2360.15,3228.1 ; 2355.95,3228.45 2360.15,3228.45 ; 2355.95,3228.8 2360.15,3228.8 ; 2355.95,3229.15 2360.15,3229.15 ; 2355.95,3229.5 2360.15,3229.5 ; 2356.3,3217.25 2358.05,3217.25 ; 2356.3,3226.35 2357,3226.35 ; 2356.3,3226.7 2360.15,3226.7 ; 2356.3,3227.05 2360.15,3227.05 ; 2356.65,3222.5 2358.4,3222.5 ; 2356.65,3225.65 2360.15,3225.65 ; 2356.65,3226 2360.15,3226 ; 2357,3217.6 2358.05,3217.6 ; 2357,3217.95 2358.4,3217.95 ; 2357,3222.15 2358.4,3222.15 ; 2357,3225.3 2360.15,3225.3 ; 2357.35,3218.3 2358.05,3218.3 ; 2357.35,3218.65 2358.05,3218.65 ; 2357.35,3219 2358.05,3219 ; 2357.35,3219.35 2358.05,3219.35 ; 2357.35,3219.7 2358.05,3219.7 ; 2357.35,3220.05 2358.4,3220.05 ; 2357.35,3221.45 2358.4,3221.45 ; 2357.35,3221.8 2358.4,3221.8 ; 2357.35,3224.95 2360.15,3224.95 ; 2357.7,3220.4 2358.4,3220.4 ; 2357.7,3220.75 2358.4,3220.75 ; 2357.7,3221.1 2358.4,3221.1 ; 2358.05,3224.6 2360.15,3224.6 ; 2359.8,3224.25 2360.15,3224.25